# Altium PCB PCB_main_single_side_STACK.PcbDoc
Units mm, origin at the board's own origin, x right, y up, seen from the top; angles counter-clockwise.
Board outline 58 x 37 mm, 2 copper layers (Top Layer, Bottom Layer), stack 1.571 mm thick; 67 components, 56 nets, 285 pads, 91 vias.
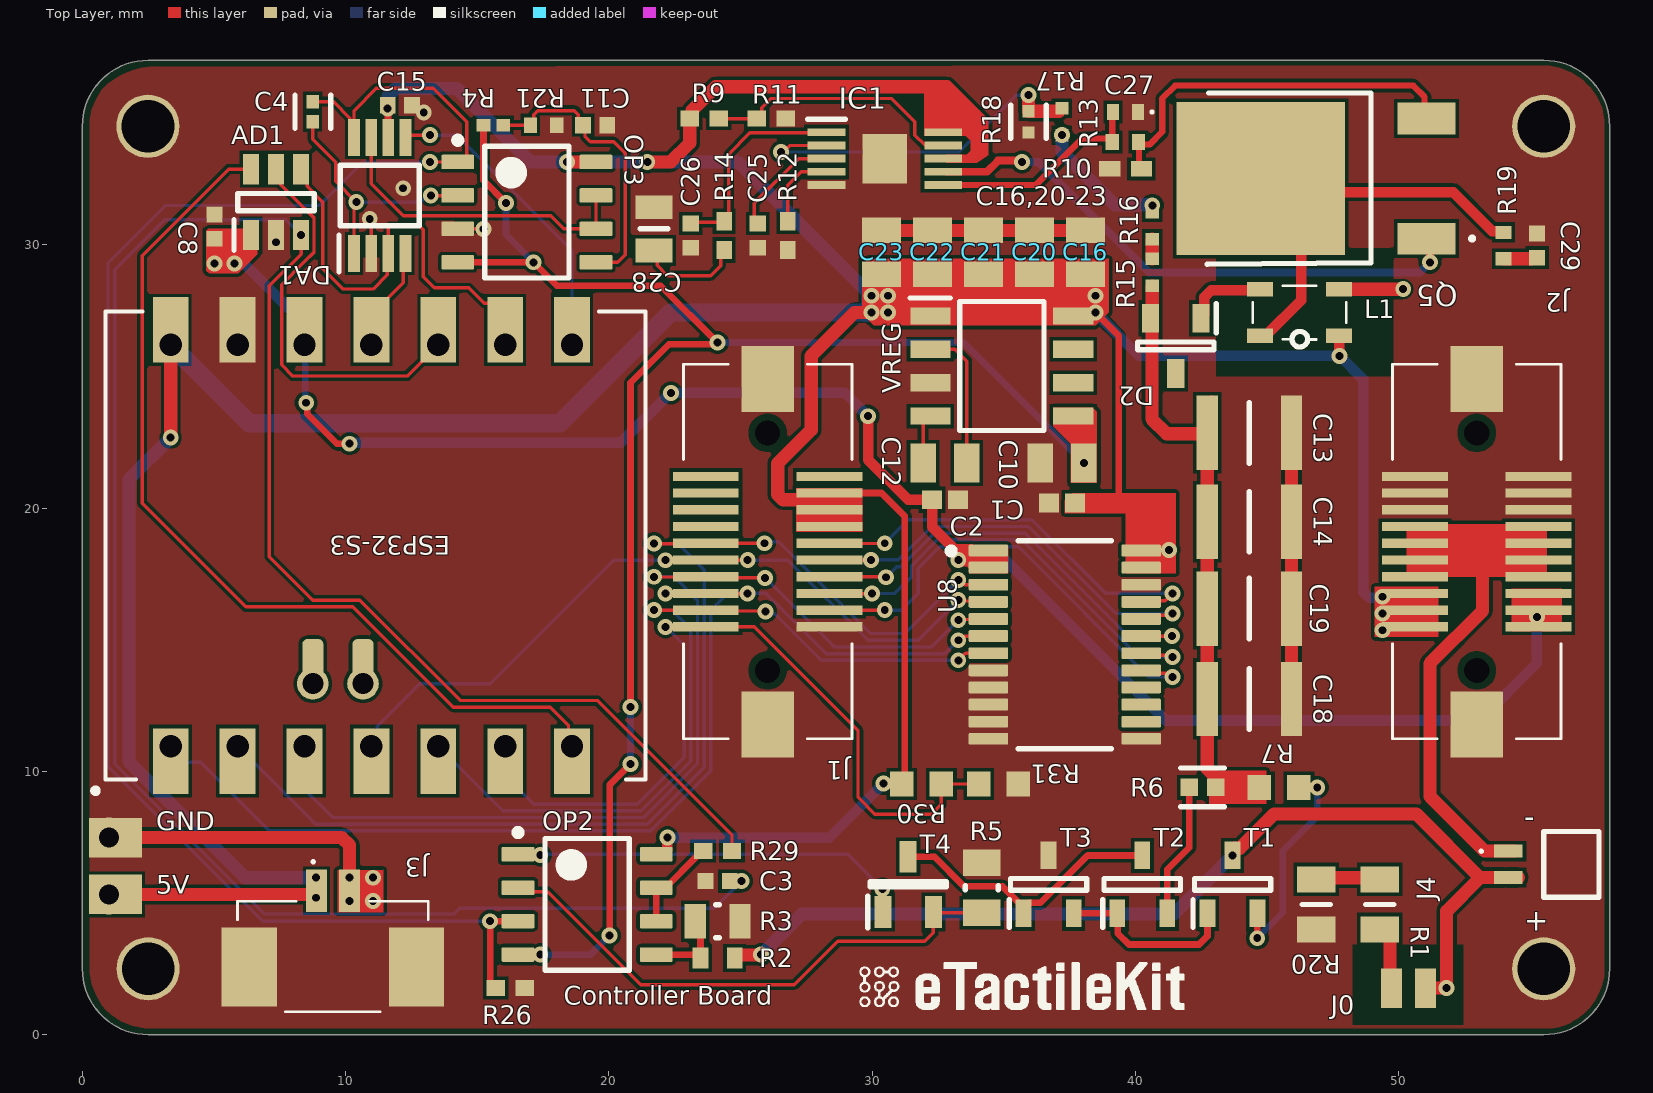
[diagram p0: Top Layer view]
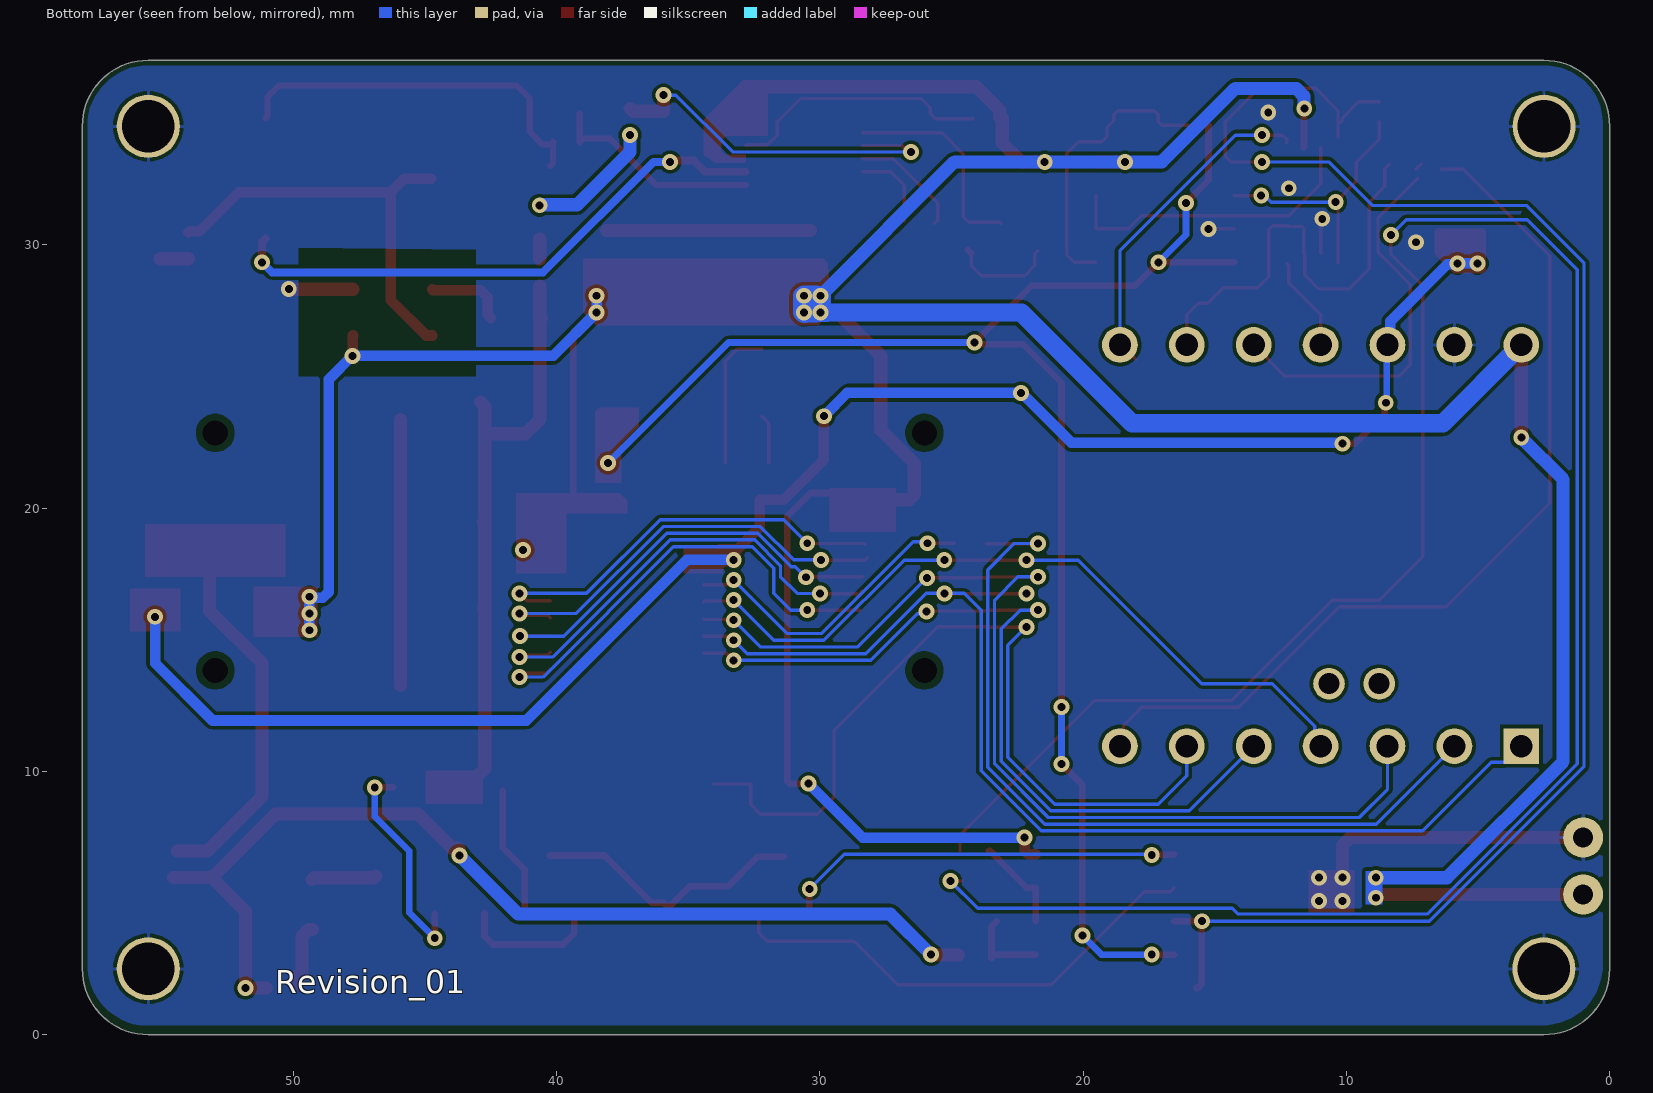
[diagram p1: Bottom Layer view, seen from below]
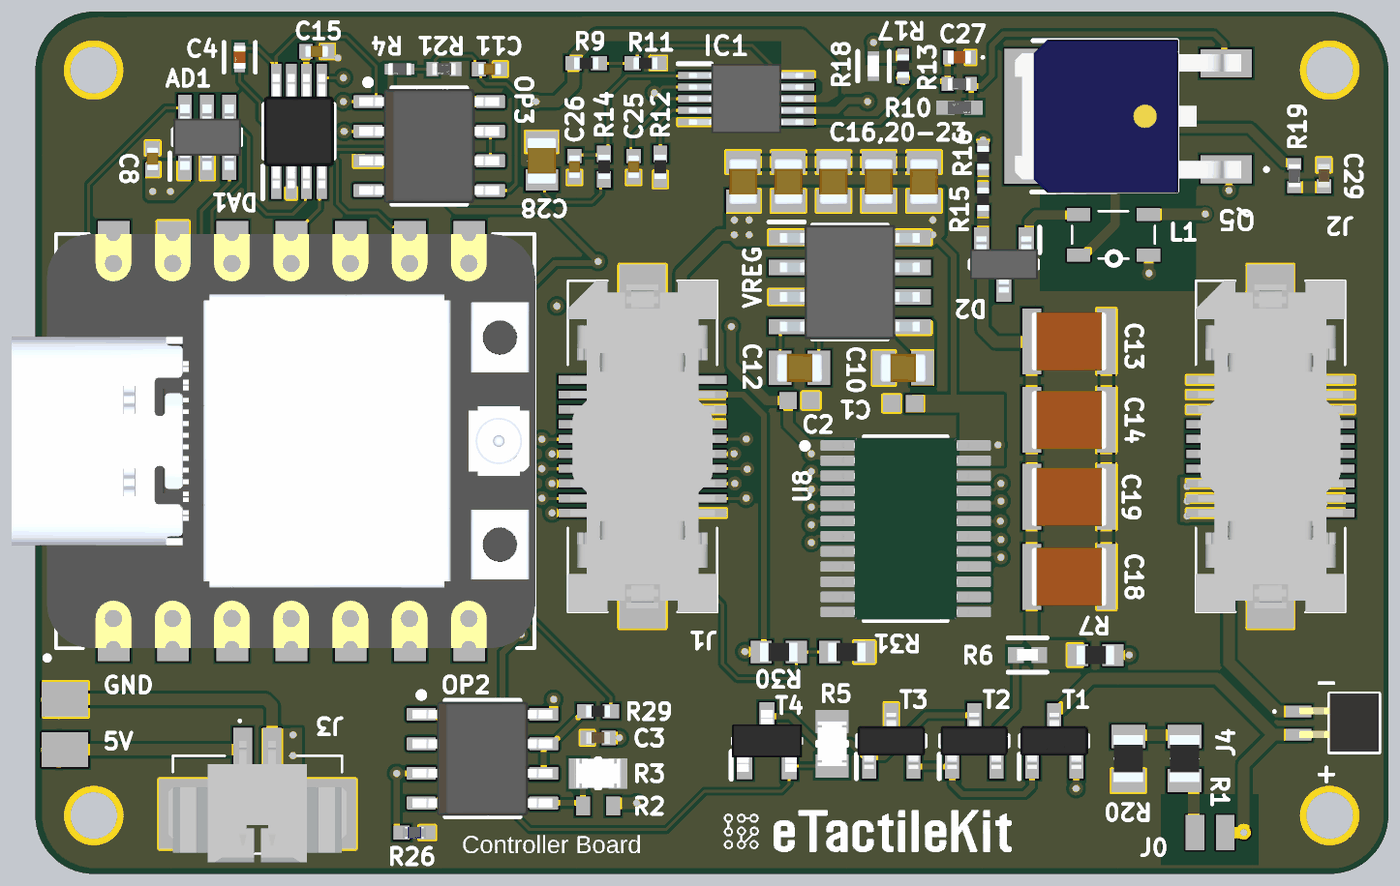
[diagram p2: 3D render of the assembled board from above, using the file's embedded part models]

## Layer stack, top to bottom
Top Solder: solder mask 0.0102, Solder Resist, Dk 3.5
Top Layer: signal copper 0.0356
Dielectric 1: dielectric 1.5, FR-4, Dk 4.8
Bottom Layer: signal copper 0.0356
Bottom Solder: solder mask 0.0102, Solder Resist, Dk 3.5

## Board outline
0.008,2.508 0.008,34.508 cw(c2.508,34.508) 2.508,37.008 55.508,37.008 cw(c55.508,34.508) 58.008,34.508 58.008,2.508 cw(c55.508,2.508) 55.508,0.008 2.508,0.008 cw(c2.508,2.508)

## Design rules (kind name [scope] priority, off if disabled: settings)
BoardOutlineClearance [All] p1: gap=0.2 ignorepadtopadclearanceinfootprint=FALSE
Clearance [All] p1: gap=0.127 ignorepadtopadclearanceinfootprint=FALSE except(0.25: Arc-Hole Track-Hole SMDPad-Hole THPad-Hole Via-Hole Fill-Hole Poly-Hole Region-Hole Text-Hole)
ComponentClearance [All] p1: gap=0.127 collisioncheckmode=3 verticalgap=0.127 showdistances=TRUE
DiffPairsRouting [All] p1: maxlimit=0.254 minlimit=0.127 mostfreqgap=0.127 toplayer_minwidth=0.127 toplayer_maxwidth=25.4 toplayer_prefwidth=0.127 bottomlayer_minwidth=0.127 bottomlayer_maxwidth=25.4 bottomlayer_prefwidth=0.127 maxuncoupledlength=12.7
Height [All] p1: minheight=0 maxheight=1816.048 prefheight=12.7
HoleSize [All] p1: absolutevalues=TRUE maxlimit=6.3 minlimit=0.3 maxpercent=80.000 minpercent=20.000
HoleToHoleClearance [All] p1: gap=0.25 allowstackedmicrovias=FALSE
MinimumAnnularRing [All] p1: minimumring=0.076
MinimumSolderMaskSliver [All] p1: minsoldermaskwidth=0
PlaneClearance [All] p1: clearance=0.127
PlaneConnect PlaneConnectPowerPads [InPadClass('PowerPads')] p1: planeconnectstyle=Direct reliefexpansion=0.508 reliefentries=4 reliefconductorwidth=0.254 reliefairgap=0.254
PlaneConnect [All] p2: pad.planeconnectstyle=Relief pad.reliefexpansion=0.3 pad.reliefentries=4 pad.reliefconductorwidth=0.127 pad.reliefairgap=0.127 via.planeconnectstyle=Direct via.reliefexpansion=0.3 via.reliefentries=4 via.reliefconductorwidth=0.127 via.reliefairgap=0.127
PolygonConnect PolygonConnect_3 [All vs IsNamedPolygon('GND_L02_P007')] p1: connectstyle=Direct reliefconductorwidth=0.254 reliefentries=4 polygonreliefangle="90 Angle" airgapwidth=0.254
PolygonConnect PolygonConnect_2 [All vs IsNamedPolygon('GND_L02_P007')] p2: connectstyle=Direct reliefconductorwidth=0.254 reliefentries=4 polygonreliefangle="90 Angle" airgapwidth=0.254
PolygonConnect PolygonConnect_1 [All vs IsNamedPolygon('GND_L01_P000')] p3: connectstyle=Direct reliefconductorwidth=0.254 reliefentries=4 polygonreliefangle="90 Angle" airgapwidth=0.254
PolygonConnect PolygonConnectPowerPads [All vs (InPadClass('PowerPads'))] p4: connectstyle=Direct reliefconductorwidth=0.254 reliefentries=4 polygonreliefangle="90 Angle" airgapwidth=0.254
PolygonConnect [All] p5: thpad.connectstyle=Relief thpad.reliefconductorwidth=0.127 thpad.reliefentries=4 thpad.polygonreliefangle="90 Angle" thpad.airgapwidth=0.127 smdpad.connectstyle=Relief smdpad.reliefconductorwidth=0.127 smdpad.reliefentries=4 smdpad.polygonreliefangle="90 Angle" smdpad.airgapwidth=0.127 via.connectstyle=Direct via.reliefconductorwidth=0.127 via.reliefentries=4 via.polygonreliefangle="90 Angle" via.airgapwidth=0.127
RoutingVias [All] p1: holewidth=0.3 width=0.6 viastyle="Through Hole" minholewidth=0.3 minwidth=0.6 maxholewidth=0.6 maxwidth=6.6
SilkToSilkClearance [All] p1: silktosilkclearance=0
SilkToSolderMaskClearance [IsPad] p1: minsilkscreentomaskgap=0.127 clearancetoexposedcopper=TRUE
SolderMaskExpansion [All] p1: expansion=0.075 istentingtop=FALSE
SupplyNets "Schematic Supply Nets_4" [InNet('+5V')] p1: voltage=0.000
SupplyNets "Schematic Supply Nets_3" [InNet('-5')] p2: voltage=0.000
SupplyNets "Schematic Supply Nets_2" [InNet('+3V3')] p3: voltage=0.000
SupplyNets "Schematic Supply Nets" [InNet('GND')] p4: voltage=0.000
Width [All] p1: maxlimit=5 minlimit=0.127 preferedwidth=0.127 minimp=50.000000 maximp=50.000000 favimp=50.000000
20 further rules are at their usual default settings.

## Classes and differential pairs
component class vreg: C10 C12 C16 C20 C21 C22 C23 VREG
component class processor: C1 C2 ESP32-S3 J1 J2 J3 R30 R31 U8
component class DAC_ADC: AD1 C4 C8 C11 C15 DA1 OP3 R4 R21
component class current_mirror: C3 J0 J4 OP2 R1 R2 R3 R5 R6 R7 R20 R26 R29 T1 T2 T3 T4
component class boost_converter: C13 C14 C18 C19 C25 C26 C27 C28 C29 D2 IC1 L1 Q5 R9 R10 R11 R12 R13 R14 R15 R16 R17 R18 R19

## Components (designator, comment, footprint, x,y, rotation, side; value= is the part's Value field where it differs from the comment)
AD1 "AD7276AUJZ-REEL7" SOT95P280X100-6N 7.366,31.623 r90 top
C1 "CL05B104KO5NNNC" CAPC1050X55X23ML05T13 37.211,20.193 r180 top
C2 "CL05B104KO5NNNC" CAPC1050X55X23ML05T13 32.766,20.32 r180 top
C3 "GRM1552C1H102JA01D" CAPC1005X70N 24.13,5.842 r0 top
C4 "0402CG2R0C500NT" FP-GJM155-0_05-IPC_C 8.763,35.052 r270 top
C8 "CL05B104KO5NNNC" CAPC1005X55N 5.031,30.691 r270 top
C10 "GRM21BR61A476ME15L" CAPC2012X145N 37.211,21.717 r0 top
C11 "CL05B104KO5NNNC" CAPC1005X55N 19.479,34.544 r180 top
C12 "GRM21BR61A476ME15L" CAPC2012X145N 32.766,21.717 r0 top
C13 "C3225X7R2J683KT0L0U" CAPC3225X200N 44.323,22.86 r180 top
C14 "C3225X7R2J683KT0L0U" CAPC3225X200N 44.323,19.487 r180 top
C15 "CL05B104KO5NNNC" CAPC1005X55N 12.065,35.306 r180 top
C16 "GRM21BR61A476ME15L" CAPC2012X145N 38.1,29.718 r270 top
C18 "C3225X7R2J683KT0L0U" CAPC3225X200N 44.323,12.756 r180 top
C19 "C3225X7R2J683KT0L0U" CAPC3225X200N 44.323,16.185 r180 top
C20 "GRM21BR61A476ME15L" CAPC2012X145N 36.163,29.718 r270 top
C21 "GRM21BR61A476ME15L" CAPC2012X145N 34.227,29.718 r270 top
C22 "GRM21BR61A476ME15L" CAPC2012X145N 32.29,29.718 r270 top
C23 "GRM21BR61A476ME15L" CAPC2012X145N 30.353,29.718 r270 top
C25 "CL05B104KO5NNNC" CAPC1005X55N 25.654,30.353 r90 top
C26 "0402CG101J500NT" CAPC1005X55N 23.114,30.353 r90 top
C27 "GRM155R71H103KA88D" GRM15x 39.624,35.048 r180 top
C28 "CL21B223KBANNNC" CAPC2012X75N 21.717,30.607 r270 top
C29 "GRM1555C1H221JA01D" CAPC1005X70N 55.249,29.972 r270 top
D2 "MMBD3004S-7-F" SOT96P240X100-3N 41.529,26.162 r270 top
DA1 "AD5452YRMZ-REEL7" SOP65P490X110-8N 11.303,31.877 r90 top
ESP32-S3 "SEED XIAO ESP32-SE" PCBComponent_1 10.414,18.71 r90 top
IC1 "LT3757EMSE#TRPBF" SOP50P490X110-11N 30.48,33.274 r0 top
J0 "Saolder_bridge" "Solder Bridge" 50.419,1.778 r180 top
J1 "52885-0274" 528850274 26.035,18.351 r270 top
J2 "52885-0274" 528850274 52.959,18.351 r270 top
J3 "532610271" 532610271 9.525,3.175 r180 top
J4 "BC075-02-A-L-A" BC07502ALA 55.88,6.477 r90 top
L1 "ATB322515-0110" ATB322515 46.228,27.432 r0 top
OP2 "TL072IDR" D0008A_L 19.177,4.953 r0 top
OP3 "TL072IDR" D0008A_L 16.891,31.242 r0 top
Q5 "SQD25N06-22LT4GE" IPD25N06S4L30ATMA2 45.834,32.518 r90 top
R1 "0805W8F3302T5E" RESC2013X65N 49.276,4.953 r90 top
R2 "RC0603FR-071ML" RESC1608X55X25LL10T15 24.13,2.921 r0 top
R3 "CRCW08059K10FKEA" FP-CRCW0805-e3-IPC_C 24.13,4.318 r180 top
R4 "RC0402FR-0712KL" FP-RC0402-0_4-IPC_C 15.621,34.544 r180 top
R5 "CRCW08052K20FKEA" FP-CRCW0805-e3-IPC_B 34.163,5.588 r270 top
R6 "RMC1/16SK273FTH-M" FP-CRCW0402-e3-IPC_A 42.545,9.398 r0 top
R7 "0603WAF1001T5E" RESC1608X55N 45.454,9.398 r180 top
R9 "RK73H1ETTP1003F" RESC1005X40N 23.622,34.794 r180 top
R10 "RTT03R020FTP" FP-PA0402-MFG 39.624,32.889 r0 top value=20mΩ
R11 "RK73H1ETTP4702F" RESC1005X40N 26.162,34.794 r180 top
R12 "RK73H1ETTP1303F" RESC1005X40N 26.797,30.353 r90 top
R13 "RC0402FR-0722RL" FP-RC0402-0_4-MFG 39.616,33.905 r180 top
R14 "RK73H1ETTP6801F" RESC1005X40N 24.384,30.353 r90 top
R15 "ERJU02F1004X" ERJS02_U02_(0402) 40.64,28.951 r270 top
R16 "ERJU02F1004X" ERJS02_U02_(0402) 40.64,30.734 r270 top
R17 "ERJU02F1004X" ERJS02_U02_(0402) 37.207,34.671 r270 top
R18 "CRCW040216K0FKED" FP-CRCW0402-e3-IPC_C 35.937,34.671 r90 top
R19 "RC0402FR-0722RL" FP-RC0402-0_4-MFG 53.979,29.972 r270 top
R20 "0805W8F3302T5E" RESC2013X65N 46.863,4.953 r270 top
R21 "HPCR0402F24K0K9" FP-RT0402-MFG 17.526,34.544 r180 top value=12KΩ
R26 "MCS04020C1002FE000" RESC1005X37N 16.256,1.778 r0 top
R29 "RK73H1ETTP1000F" RESC1005X40N 24.13,6.985 r0 top
R30 "RT0603BRD0740KL" RESC1608X55N 31.877,9.525 r180 top
R31 "0603WAF6042T5E" RESC1608X55N 34.798,9.525 r180 top
T1 "PBHV9040TVL" SOT95P230X110-3N 43.688,5.715 r90 top
T2 "PBHV9040TVL" SOT95P230X110-3N 40.259,5.715 r90 top
T3 "PBHV9040TVL" SOT95P230X110-3N 36.703,5.715 r90 top
T4 "DMN60H080DS-13" SOT96P240X110-3N 31.369,5.715 r90 top
U8 "SN74LVC8T245PWR" FP-PW0024A-MFG 37.317,14.818 r0 top
VREG "LTC1144IS8#PBF" SOIC127P599X175-8N 34.925,25.4 r0 top

## Footprints (in the part's own frame and the unit in brackets; to place one, negate y for a bottom-side part, rotate by r counter-clockwise, add the part's x,y. Pads: shape width x height; smd on the part's side, far side on the other; paste and mask are expansions set on the pad)
528850274 [mm]
  rect 0.35x2.5 smd: 1(-2.857,-2.35) 2(-2.857,2.35) 3(-2.223,-2.35) 4(-2.223,2.35) 5(-1.587,-2.35) 6(-1.587,2.35) 7(-0.952,-2.35) 8(-0.952,2.35) 9(-0.317,-2.35) 10(-0.317,2.35) 11(0.317,-2.35) 12(0.317,2.35) 13(0.953,-2.35) 14(0.953,2.35) 15(1.588,-2.35) 16(1.588,2.35) 17(2.223,-2.35) 18(2.223,2.35) 19(2.857,-2.35) 20(2.857,2.35)
  rect 2.5x2 smd: 21(-6.56,0) 22(6.56,0)
  round 0.475 hole 0.95 unplated: 23(-4.51,0) 24(4.51,0)
  silkscreen extent -7.11,-3.2 7.11,3.2, body extent -7.11,-3.2 7.11,3.2, height 4.2
532610271 [mm]
  rect 0.8x1.6 smd: 1(0.625,-2.3) 2(-0.625,-2.3)
  rect 2.1x3 smd: MP1(3.175,0.6) MP2(-3.175,0.6)
  silkscreen extent -3.62,-3.45 3.62,2.3, body extent -3.83,-2.54 3.83,2.66, height 3.4
ATB322515 [mm]
  rect 1x0.55 smd: 1(-1.5,-0.875) 2(-1.5,0.875) 3(1.5,0.875) 4(1.5,-0.875)
  body extent -1.78,-1.02 1.78,1.02, height 1.21
BC07502ALA [mm]
  rect 0.5x1.1 smd: 1(0.5,1.725) 2(-0.5,1.725)
  silkscreen extent -1.25,-1.73 1.25,2.8, body extent -1.23,-1.72 1.27,1.68, height 1.5
CAPC1005X55N [mm]
  rect 0.6x0.62 smd: 1(-0.46,0) 2(0.46,0)
  body extent -0.5,-0.25 0.5,0.25, height 0.55
CAPC1005X70N [mm]
  rect 0.6x0.62 smd: 1(-0.46,0) 2(0.46,0)
  body extent -0.5,-0.25 0.5,0.25, height 0.5
CAPC1050X55X23ML05T13 [mm] "Chip Capacitor, 2-Leads, Body 1.05x0.55mm, IPC Low Density"
  rect 0.76x0.72 smd: 1(-0.49,0) 2(0.49,0)
  body extent -0.53,-0.28 0.53,0.27, height 0.55
CAPC2012X75N [mm]
  rect 0.91x1.39 smd: 1(-0.82,0) 2(0.82,0)
  silkscreen extent 0,-0.53 0,0.53, body extent -1,-0.63 1,0.63, height 0.75
CAPC2012X145N [mm]
  rect 0.97x1.47 smd: 1(-0.83,0) 2(0.83,0)
  body extent -1,-0.63 1,0.63, height 1.45
CAPC3225X200N [mm]
  rect 0.81x2.82 smd: 1(-1.6,0) 2(1.6,0)
  silkscreen extent 0,-1.15 0,1.15, body extent -1.6,-1.25 1.6,1.25, height 2.5
D0008A_L [mm] "SOIC, 8-Leads, Body 5x4mm, Pitch 1.27mm, IPC High Density"
  rrect18% 1.25x0.55 smd: 1(-2.625,1.905) 2(-2.625,0.635) 3(-2.625,-0.635) 4(-2.625,-1.905) 5(2.625,-1.905) 6(2.625,-0.635) 7(2.625,0.635) 8(2.625,1.905)
  silkscreen extent -2.75,-2.5 1.6,2.85, body extent -3,-2.45 3,2.45, height 1.63
ERJS02_U02_(0402) [mm]
  rect 0.475x0.5 smd: 1(-0.513,0) 2(0.513,0)
  body extent -0.5,-0.25 0.5,0.25, height 0.35
FP-CRCW0402-e3-IPC_A [mm]
  rect 0.668x0.672 smd paste+0 mask+0: 1(-0.502,0) 2(0.502,0)
  silkscreen extent -0.84,-0.74 0.84,0.74, body extent -1.04,-0.54 1.04,0.54, height 0.25
FP-CRCW0402-e3-IPC_C [mm]
  rect 0.468x0.472 smd paste+0 mask+0: 1(-0.402,0) 2(0.402,0)
  silkscreen extent -0.64,-0.67 0.64,0.67, body extent -0.5,-0.25 0.5,0.25, height 0.4
FP-CRCW0805-e3-IPC_B [mm]
  rect 1.007x1.408 smd paste+0 mask+0: 1(-0.951,0) 2(0.951,0)
  silkscreen extent -0.07,-0.63 0.07,0.63, body extent -1.7,-0.95 1.7,0.95, height 0.25
FP-CRCW0805-e3-IPC_C [mil]
  rect 31.75x51.5 smd paste+0 mask+0: 1(-33.5,0) 2(33.5,0)
  silkscreen extent -3,-25 3,25, body extent -53,-31 53,31, height 10
FP-GJM155-0_05-IPC_C [mm]
  rect 0.515x0.472 smd paste+0 mask+0: 1(-0.379,0) 2(0.379,0)
  silkscreen extent -0.64,-0.67 0.64,0.67, body extent -0.74,-0.38 0.74,0.38, height 0.25
FP-PA0402-MFG [mm]
  rect 0.8x0.6 smd paste+0 mask+0: 1(-0.6,0) 2(0.6,0)
  body extent -0.5,-0.28 0.5,0.28, height 0.4
FP-PW0024A-MFG [mm]
  rrect22% 1.5x0.45 smd paste+0 mask+0: 1(-2.9,3.575) 2(-2.9,2.925) 3(-2.9,2.275) 4(-2.9,1.625) 5(-2.9,0.975) 6(-2.9,0.325) 7(-2.9,-0.325) 8(-2.9,-0.975) 9(-2.9,-1.625) 10(-2.9,-2.275) 11(-2.9,-2.925) 12(-2.9,-3.575) 13(2.9,-3.575) 14(2.9,-2.925) 15(2.9,-2.275) 16(2.9,-1.625) 17(2.9,-0.975) 18(2.9,-0.325) 19(2.9,0.325) 20(2.9,0.975) 21(2.9,1.625) 22(2.9,2.275) 23(2.9,2.925) 24(2.9,3.575)
  silkscreen extent -4.44,-3.95 1.78,3.95, body extent -3.2,-3.9 3.2,3.9, height 1.2
FP-RC0402-0_4-IPC_C [mm]
  rect 0.515x0.472 smd paste+0 mask+0: 1(-0.379,0) 2(0.379,0)
  body extent -0.74,-0.38 0.74,0.38, height 0.25
FP-RC0402-0_4-MFG [mm]
  rect 0.5x0.6 smd: 1(-0.5,0) 2(0.5,0)
  body extent -0.5,-0.25 0.5,0.25, height 0.4
FP-RT0402-MFG [mm]
  rect 0.5x0.6 smd paste+0 mask+0: 1(-0.5,0) 2(0.5,0)
  body extent -0.85,-0.4 0.85,0.4, height 0.25
GRM15x [mm]
  rect 0.45x0.6 smd: 1(-0.475,0) 2(0.475,0)
  silkscreen extent -1.05,-0.05 -0.95,0.05, body extent -0.5,-0.28 0.5,0.27, height 0.5
IPD25N06S4L30ATMA2 [mm]
  rect 1.2x2.2 smd: 1(-2.28,-5.22) 3(2.28,-5.22)
  rect 5.8x6.4 smd: 2(0,1.08)
  silkscreen extent -3.25,-7 3.25,3.11, body extent -3.3,-5.87 3.3,3.83, height 2.4
PCBComponent_1 [mil]
  rect 98.43x53.46 smd: 1(-327.48,277.5) 2(-327.48,177.5) 3(-327.48,77.5) 4(-327.48,-22.5) 5(-327.48,-122.5) 6(-327.48,-222.5) 7(-327.48,-322.5) 8(317.48,-322.5) 9(317.48,-222.5) 10(317.48,-122.5) 11(317.48,-22.5) 12(317.48,77.5) 13(317.48,177.5) 14(317.48,277.5)
  rect 53.46x53.46 hole 33.46: 1(-305,277.5)
  round 53.46 hole 33.46: 2(-305,177.5) 3(-305,77.5) 4(-305,-22.5) 5(-305,-122.5) 6(-305,-222.5) 7(-305,-322.5) 8(295,-322.5) 9(295,-222.5) 10(295,-122.5) 11(295,-22.5) 12(295,77.5) 13(295,177.5) 14(295,277.5)
  rrect50% 70.87x31.5 smd: 15(-180,-10) 16(-180,65)
  silkscreen extent -376,-432 345,394, body extent -355,-434 345,450, height 166
RESC1005X37N [mm]
  rect 0.7x0.6 smd: 1(-0.55,0) 2(0.55,0)
  body extent -0.5,-0.25 0.5,0.25, height 0.32
RESC1005X40N [mm]
  rect 0.7x0.6 smd: 1(-0.55,0) 2(0.55,0)
  body extent -0.51,-0.25 0.51,0.25, height 0.4
RESC1608X55N [mm]
  rect 0.9x0.95 smd: 1(-0.75,0) 2(0.75,0)
  body extent -0.8,-0.4 0.8,0.4, height 0.55
RESC1608X55X25LL10T15 [mm] "Chip Resistor, 2-Leads, Body 1.70x0.90mm, IPC High Density"
  rect 0.6x0.8 smd: 1(-0.65,0) 2(0.65,0)
  body extent -0.85,-0.45 0.85,0.45, height 0.55
RESC2013X65N [mm]
  rect 1x1.45 smd: 1(-0.95,0) 2(0.95,0)
  silkscreen extent 0,-0.54 0,0.54, body extent -1,-0.64 1,0.64, height 0.65
SOIC127P599X175-8N [mm]
  rect 1.526x0.65 smd: 1(-2.712,1.905) 2(-2.712,0.635) 3(-2.712,-0.635) 4(-2.712,-1.905) 5(2.712,-1.905) 6(2.712,-0.635) 7(2.712,0.635) 8(2.712,1.905)
  silkscreen extent -3.47,-2.45 1.6,2.58, body extent -3,-2.45 3,2.45, height 1.75
"Solder Bridge" [mm]
  rect 0.8x1.5 smd: 1(-0.6,0) 2(0.7,0)
SOP50P490X110-11N [mm]
  rect 1.425x0.3 smd: 1(-2.212,1) 2(-2.212,0.5) 3(-2.212,0) 4(-2.212,-0.5) 5(-2.212,-1) 6(2.212,-1) 7(2.212,-0.5) 8(2.212,0) 9(2.212,0.5) 10(2.212,1)
  rect 1.68x1.88 smd: 11(0,0)
  silkscreen extent -2.93,1.5 -1.5,1.5, body extent -2.45,-1.5 2.45,1.5, height 1.1
SOP65P490X110-8N [mm]
  rect 1.4x0.45 smd: 1(-2.2,0.975) 2(-2.2,0.325) 3(-2.2,-0.325) 4(-2.2,-0.975) 5(2.2,-0.975) 6(2.2,-0.325) 7(2.2,0.325) 8(2.2,0.975)
  silkscreen extent -2.9,-1.5 1.15,1.55, body extent -2.45,-1.5 2.45,1.5, height 1.1
SOT95P230X110-3N [mm]
  rect 1.05x0.6 smd: 1(-1.1,0.95) 2(-1.1,-0.95) 3(1.1,0)
  silkscreen extent -1.63,-1.45 0.23,1.5, body extent -1.2,-1.45 1.2,1.45, height 0.95
SOT95P280X100-6N [mm]
  rect 1.15x0.6 smd: 1(-1.25,0.95) 2(-1.25,0) 3(-1.25,-0.95) 4(1.25,-0.95) 5(1.25,0) 6(1.25,0.95)
  silkscreen extent -1.83,-1.45 0.33,1.6, body extent -1.4,-1.45 1.4,1.45, height 1
SOT96P240X100-3N [mm]
  rect 1.1x0.65 smd: 1(-1.05,0.96) 2(-1.05,-0.96) 3(1.05,0)
  silkscreen extent -1.6,-1.45 0.15,1.54, body extent -1.2,-1.45 1.2,1.45, height 1
SOT96P240X110-3N [mm]
  rect 1.2x0.65 smd: 1(-1.05,0.96) 2(-1.05,-0.96) 3(1.05,0)
  silkscreen extent -1.65,-1.45 0.1,1.54, body extent -1.33,-1.5 1.33,1.5, height 1.1
